# Altium PCB OctopusPB_r0102.PcbDoc (part 10 of 10)
Units mm, origin at the board's own origin, x right, y up, seen from the top; angles counter-clockwise.
Board outline 318 x 80 mm, 4 copper layers (Top Layer, Layer 1, Layer 2, Bottom Layer), stack 1.62 mm thick; 806 components, 346 nets, 2957 pads, 6733 vias.
Unrouted connection lines stored in the file: 1143.
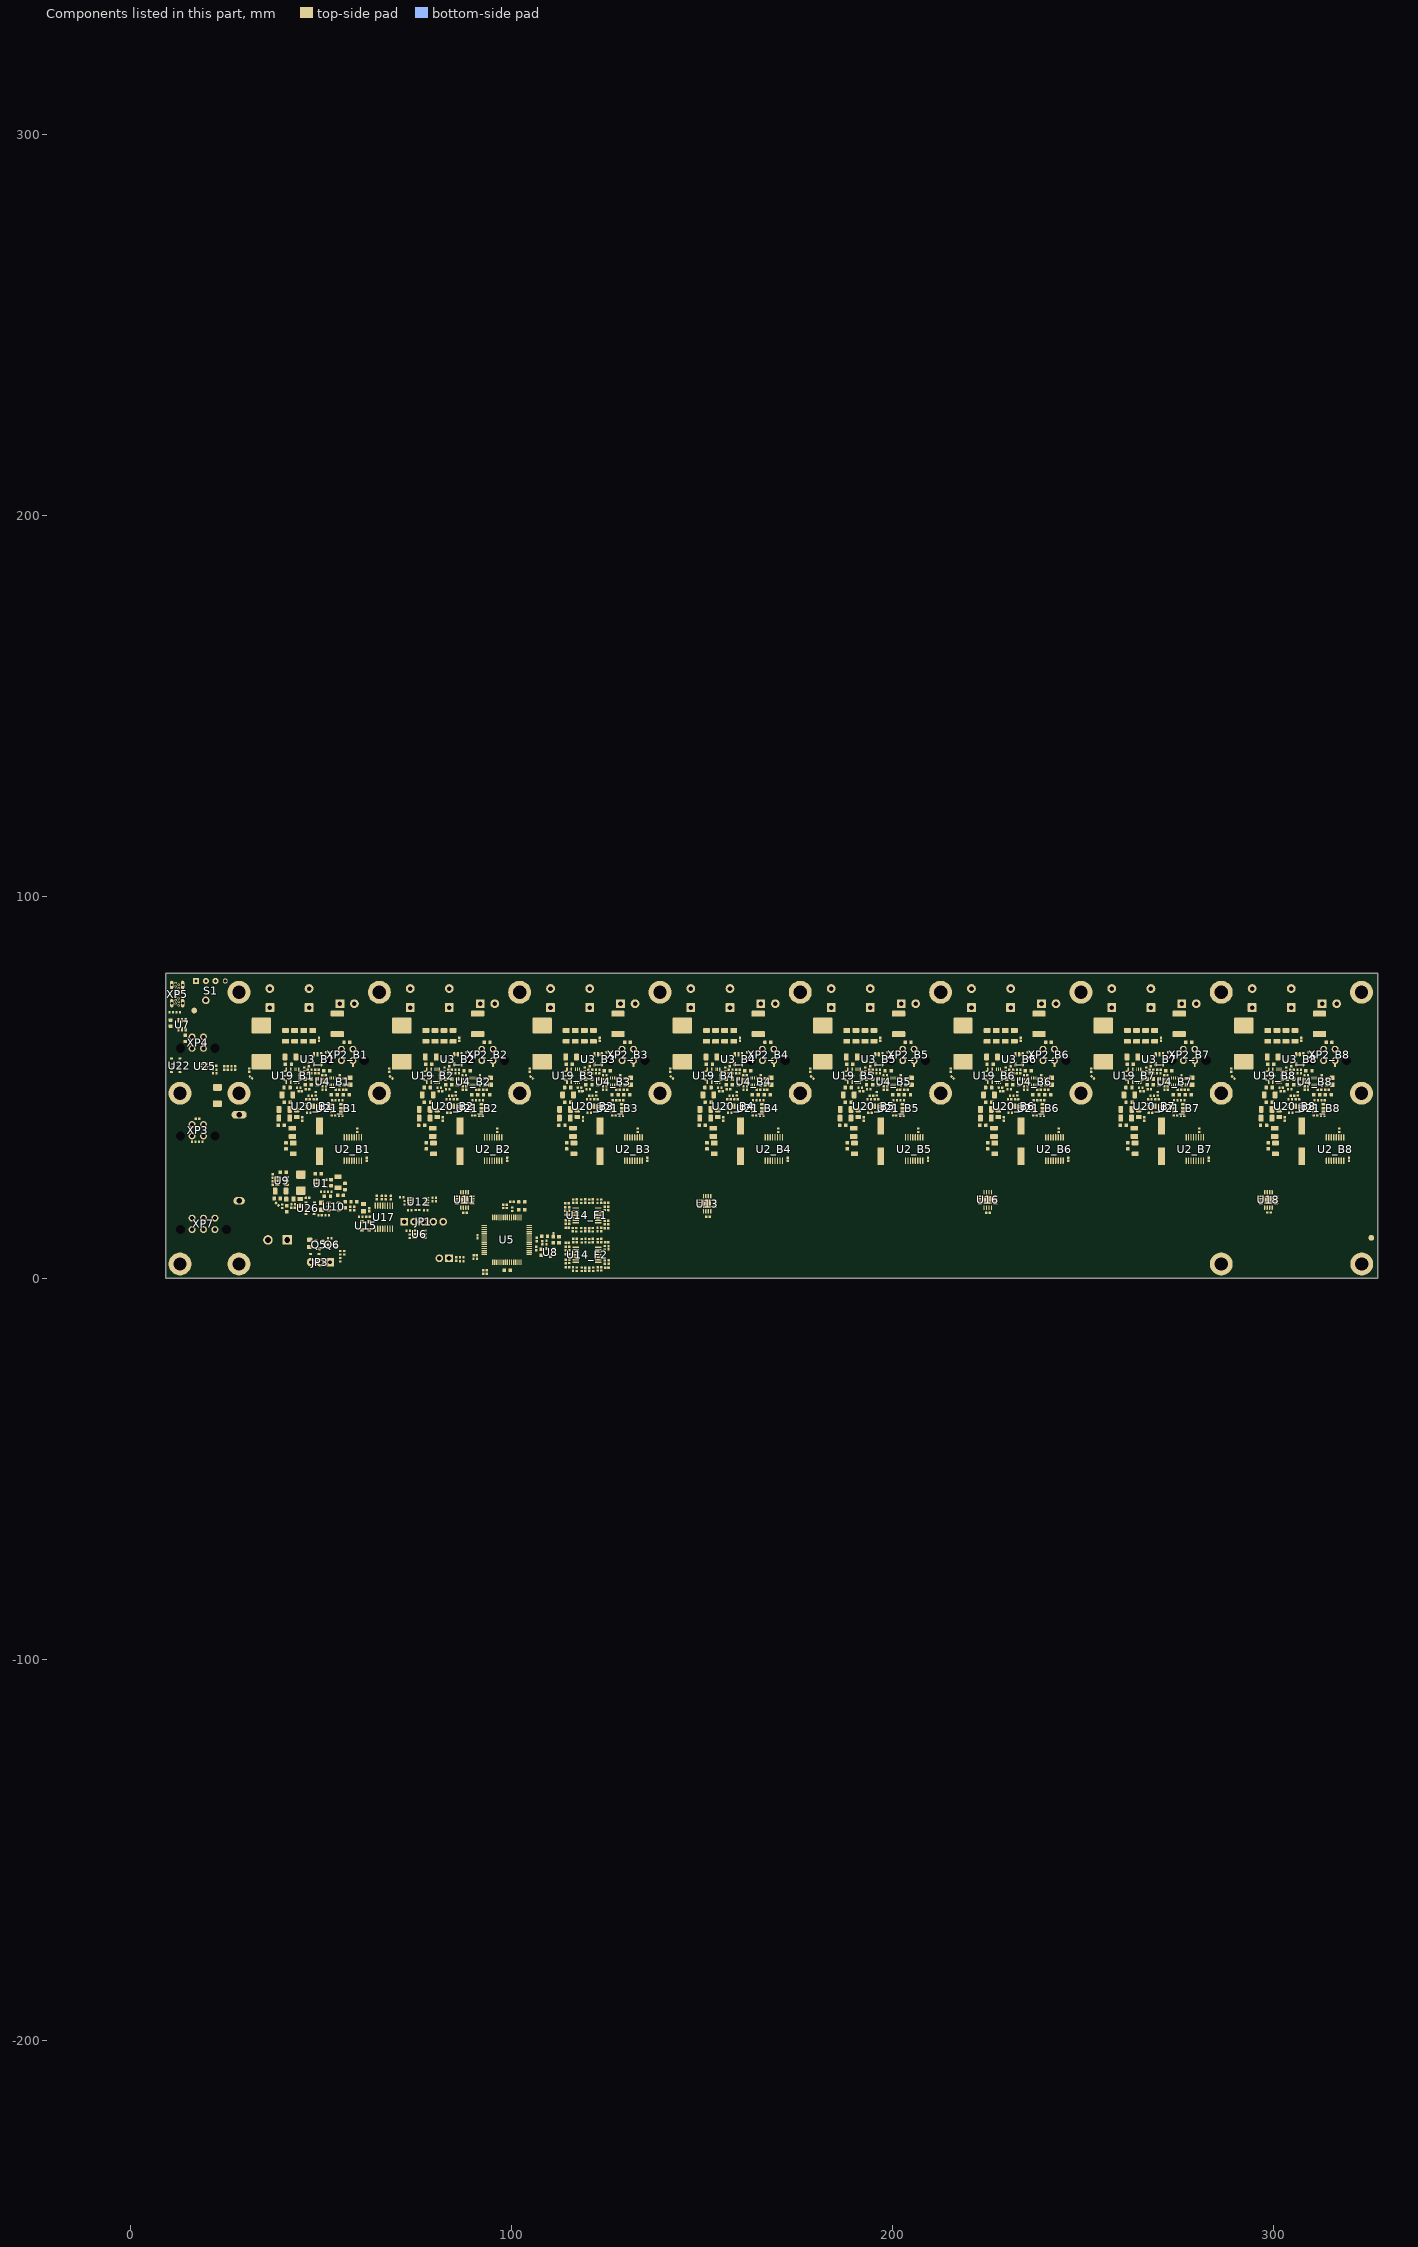
[diagram p12: the components of this part, seen from the top]

## Polygon pours and split planes (outlines as drawn) (continued)
DGND on Top Layer "PGND-TOP" (solid, pour order 243): 64.9,75.2 64.7,75 61.3,75 61.3,79.9 61.2,80 34.5,80 32.4,80 32.4,75.6 32.5,75.5 32.4,75.4 28.8,75.4 28.8,64.2 31.251,64.2 31.25,64.275 31.25,71.325 34.05,74.125 48.7,74.125 51.613,71.212 52.235,70.55 52.3,70.55 52.6,70.25 52.6,69.3 55.9,69.3 56,69.4 56,70.8 56,72.875 56.95,73.825 60.375,73.825 61.7,72.5 61.7,59.225 64.9,59.225
DGND on Layer 1 "DGND-MID1" (solid, pour order 239): 27.95,80 9.3,80 9.3,0 323.05,0 323.05,28.3 29,28.3 29,29 29,48 27.9,49.1 27.9,56.8
DGND on Layer 1 "Layer 1-PGND 1" (solid, pour order 232): 28.5,42.225 322.75,42.225 322.75,28.7 28.5,28.7
DGND on Layer 1 "Layer 1-PGND" (solid, pour order 223): 286.525,74.9 286.625,75 290.275,75 290.275,80 318.975,80 318.975,75 322.775,75 322.775,42.45 302.675,42.45 302.675,60.2 302.375,60.2 302.375,40.475 286.525,40.475
DGND on Layer 1 "Layer 1-PGND" (solid, pour order 222): 249.7,74.9 249.8,75 253.45,75 253.45,80 282.15,80 282.15,75 285.95,75 285.95,42.45 265.85,42.45 265.85,60.2 265.55,60.2 265.55,40.475 249.7,40.475
DGND on Layer 1 "Layer 1-PGND" (solid, pour order 221): 212.875,74.9 212.975,75 216.625,75 216.625,80 245.325,80 245.325,75 249.125,75 249.125,42.45 229.025,42.45 229.025,60.2 228.725,60.2 228.725,40.475 212.875,40.475
DGND on Layer 1 "Layer 1-PGND" (solid, pour order 220): 176.05,74.9 176.15,75 179.8,75 179.8,80 208.5,80 208.5,75 212.3,75 212.3,42.45 192.2,42.45 192.2,60.2 191.9,60.2 191.9,40.475 176.05,40.475
DGND on Layer 1 "Layer 1-PGND" (solid, pour order 219): 139.225,74.9 139.325,75 142.975,75 142.975,80 171.675,80 171.675,75 175.475,75 175.475,42.45 155.375,42.45 155.375,60.2 155.075,60.2 155.075,40.475 139.225,40.475
DGND on Layer 1 "Layer 1-PGND" (solid, pour order 218): 102.4,74.9 102.5,75 106.15,75 106.15,80 134.85,80 134.85,75 138.65,75 138.65,42.45 118.55,42.45 118.55,60.2 118.25,60.2 118.25,40.475 102.4,40.475
DGND on Layer 1 "Layer 1-PGND" (solid, pour order 217): 65.575,74.9 65.675,75 69.325,75 69.325,80 98.025,80 98.025,75 101.825,75 101.825,42.45 81.725,42.45 81.725,60.2 81.425,60.2 81.425,40.475 65.575,40.475
AGND on Layer 1 "AGND_BOT" (solid, pour order 238): 114.625,21.775 125.85,21.775 127.375,20.25 127.375,0.475 126.925,0.025 102.325,0.025 102.325,4.85 102.925,4.85 104.5,6.425 104.5,11.65
DGND on Layer 1 "Layer 1-PGND" (solid, pour order 216): 28.75,74.9 28.85,75 32.5,75 32.5,80 61.2,80 61.2,75 65,75 65,42.45 44.9,42.45 44.9,60.2 44.6,60.2 44.6,40.475 28.75,40.475

## Keep-outs
Keep-Out Layer:
  the board outline again, w0.254

## Other copper
Top Layer:
  region net 3V3: 58.675,19 58.975,19.3 59.675,19.3 59.9,19.075 59.9,17.275 59.875,17.25 59.225,17.25 59.225,18.25 59.1,18.375 58.825,18.375
  region net VOUT_B8: 290.407,64.343 289.725,65.025 289.725,70.275 291.55,72.1 306.35,72.1 309.2,69.25 309.2,67.9 311.65,65.45 313.9,65.45 314.2,65.15 314.2,59.925 313.5,59.225 312.15,59.225 307.005,64.175
  region net VOUT_SHUNT_B8: 314.855,59.82 314.855,70.005 314.855,72.53 315.125,72.9 315.85,72.9 318.475,72.9 318.975,72.4 318.975,59.475 318.6,59.1 315.575,59.1
  region net PVIN_B8: 302.05,43.525 302.125,43.6 302.125,47.725 300.1,49.75 300.1,52.05 300,52.15 299.525,52.15 299.35,51.975 299.35,50.575 299.2,50.425 299.2,45.275 298.975,45.05 298.975,43.525
  region net PH_B8: 300.925,53.25 300.75,53.425 298.1,53.425 294.075,57.45 289.625,57.45 289.625,54.8 291.688,52.737 296.038,52.737 300.763,52.737 300.925,52.9
  region net PVIN_B8: 299.65,54.025 299.5,54.175 299.5,56.575 299.675,56.75 300.075,56.75 300.325,57 300.325,59.4 300.55,59.625 302,59.625 302.325,59.3 302.325,57.4 301.975,57.05 300.75,55.825 300.225,55.3 300.225,54.2 300.05,54.025
  region net NetC6_B8_1: 300.3,38.75 298.6,38.75 297.7,39.65 297.7,40.475 298.9,41.675 298.9,42.65 299.1,42.85 302,42.85 302.125,42.725 302.125,39.7 301.15,38.725
  region net DGND: 296.775,62.525 297.075,62.825 306.325,62.825 306.5,62.65 306.45,62.6 306.45,61.175 305.675,60.4 300.03,60.4 299.075,59.298 298.925,59.148 298.92,56.55 298.92,55.405 299.075,55.25 299.075,53.975 298.125,53.975 296.6,55.5 296.6,62.375 296.75,62.525
  region net DGND: 312.139,48.6 313.539,48.6 313.539,47.737 313.456,47.655 312.139,47.655
  region net DGND: 307.3,49.65 306.375,49.65 306.25,49.775 306.25,51.185 306.3,51.225 307.125,51.225 307.3,51.05
  region net NetC77_B8_1: 304.05,49.3 304.05,51.05 303.875,51.225 303.375,51.225 302.7,51.9 301.9,51.9 301.9,50.925 302.375,50.925 303.475,49.825 303.475,49.3
  region net 20-26VIN_F: 304.85,42.225 304.525,42.225 303.5,41.2 303.5,40.8 302.55,40.8 302.55,39.275 301.025,37.75 298.35,37.75 298.05,37.45 298.05,35.075 298.15,34.975 299.025,34.98 299.18,34.825 303.375,34.825 305.95,37.4 308.95,37.4 308.95,42.225
  region net VOUT_B8: 304.425,49.863 305.45,49.863 305.525,49.788 305.525,49.113 305.375,48.963 305.225,48.963 304.9,49.288 304.425,49.288
  region net VOUT_B7: 253.582,64.343 252.9,65.025 252.9,70.275 254.725,72.1 269.525,72.1 272.375,69.25 272.375,67.9 274.825,65.45 277.075,65.45 277.375,65.15 277.375,59.925 276.675,59.225 275.325,59.225 270.18,64.175
  region net VOUT_SHUNT_B7: 278.03,59.82 278.03,70.005 278.03,72.53 278.3,72.9 279.025,72.9 281.65,72.9 282.15,72.4 282.15,59.475 281.775,59.1 278.75,59.1
  region net PVIN_B7: 265.225,43.525 265.3,43.6 265.3,47.725 263.275,49.75 263.275,52.05 263.175,52.15 262.7,52.15 262.525,51.975 262.525,50.575 262.375,50.425 262.375,45.275 262.15,45.05 262.15,43.525
  region net PH_B7: 264.1,53.25 263.925,53.425 261.275,53.425 257.25,57.45 252.8,57.45 252.8,54.8 254.863,52.737 259.213,52.737 263.938,52.737 264.1,52.9
  region net PVIN_B7: 262.825,54.025 262.675,54.175 262.675,56.575 262.85,56.75 263.25,56.75 263.5,57 263.5,59.4 263.725,59.625 265.175,59.625 265.5,59.3 265.5,57.4 265.15,57.05 263.925,55.825 263.4,55.3 263.4,54.2 263.225,54.025
  region net NetC6_B7_1: 263.475,38.75 261.775,38.75 260.875,39.65 260.875,40.475 262.075,41.675 262.075,42.65 262.275,42.85 265.175,42.85 265.3,42.725 265.3,39.7 264.325,38.725
  region net DGND: 259.95,62.525 260.25,62.825 269.5,62.825 269.675,62.65 269.625,62.6 269.625,61.175 268.85,60.4 263.205,60.4 262.25,59.298 262.1,59.148 262.095,56.55 262.095,55.405 262.25,55.25 262.25,53.975 261.3,53.975 259.775,55.5 259.775,62.375 259.925,62.525
  region net DGND: 275.314,48.6 276.714,48.6 276.714,47.737 276.631,47.655 275.314,47.655
  region net DGND: 270.475,49.65 269.55,49.65 269.425,49.775 269.425,51.185 269.475,51.225 270.3,51.225 270.475,51.05
  region net NetC77_B7_1: 267.225,49.3 267.225,51.05 267.05,51.225 266.55,51.225 265.875,51.9 265.075,51.9 265.075,50.925 265.55,50.925 266.65,49.825 266.65,49.3
  region net 20-26VIN_F: 268.025,42.225 267.7,42.225 266.675,41.2 266.675,40.8 265.725,40.8 265.725,39.275 264.2,37.75 261.525,37.75 261.225,37.45 261.225,35.075 261.325,34.975 262.2,34.98 262.355,34.825 266.55,34.825 269.125,37.4 272.125,37.4 272.125,42.225
  region net VOUT_B7: 267.6,49.863 268.625,49.863 268.7,49.788 268.7,49.113 268.55,48.963 268.4,48.963 268.075,49.288 267.6,49.288
  region net VOUT_B6: 216.757,64.343 216.075,65.025 216.075,70.275 217.9,72.1 232.7,72.1 235.55,69.25 235.55,67.9 238,65.45 240.25,65.45 240.55,65.15 240.55,59.925 239.85,59.225 238.5,59.225 233.355,64.175
  region net VOUT_SHUNT_B6: 241.205,59.82 241.205,70.005 241.205,72.53 241.475,72.9 242.2,72.9 244.825,72.9 245.325,72.4 245.325,59.475 244.95,59.1 241.925,59.1
  region net PVIN_B6: 228.4,43.525 228.475,43.6 228.475,47.725 226.45,49.75 226.45,52.05 226.35,52.15 225.875,52.15 225.7,51.975 225.7,50.575 225.55,50.425 225.55,45.275 225.325,45.05 225.325,43.525
  region net PH_B6: 227.275,53.25 227.1,53.425 224.45,53.425 220.425,57.45 215.975,57.45 215.975,54.8 218.038,52.737 222.387,52.737 227.112,52.737 227.275,52.9
  region net PVIN_B6: 226,54.025 225.85,54.175 225.85,56.575 226.025,56.75 226.425,56.75 226.675,57 226.675,59.4 226.9,59.625 228.35,59.625 228.675,59.3 228.675,57.4 228.325,57.05 227.1,55.825 226.575,55.3 226.575,54.2 226.4,54.025
  region net NetC6_B6_1: 226.65,38.75 224.95,38.75 224.05,39.65 224.05,40.475 225.25,41.675 225.25,42.65 225.45,42.85 228.35,42.85 228.475,42.725 228.475,39.7 227.5,38.725
  region net DGND: 223.125,62.525 223.425,62.825 232.675,62.825 232.85,62.65 232.8,62.6 232.8,61.175 232.025,60.4 226.38,60.4 225.425,59.298 225.275,59.148 225.27,56.55 225.27,55.405 225.425,55.25 225.425,53.975 224.475,53.975 222.95,55.5 222.95,62.375 223.1,62.525
  region net DGND: 238.489,48.6 239.889,48.6 239.889,47.737 239.806,47.655 238.489,47.655
  region net DGND: 233.65,49.65 232.725,49.65 232.6,49.775 232.6,51.185 232.65,51.225 233.475,51.225 233.65,51.05
  region net NetC77_B6_1: 230.4,49.3 230.4,51.05 230.225,51.225 229.725,51.225 229.05,51.9 228.25,51.9 228.25,50.925 228.725,50.925 229.825,49.825 229.825,49.3
  region net 20-26VIN_F: 231.2,42.225 230.875,42.225 229.85,41.2 229.85,40.8 228.9,40.8 228.9,39.275 227.375,37.75 224.7,37.75 224.4,37.45 224.4,35.075 224.5,34.975 225.375,34.98 225.53,34.825 229.725,34.825 232.3,37.4 235.3,37.4 235.3,42.225
  region net VOUT_B6: 230.775,49.863 231.8,49.863 231.875,49.788 231.875,49.113 231.725,48.963 231.575,48.963 231.25,49.288 230.775,49.288
  region net VOUT_B4: 143.107,64.343 142.425,65.025 142.425,70.275 144.25,72.1 159.05,72.1 161.9,69.25 161.9,67.9 164.35,65.45 166.6,65.45 166.9,65.15 166.9,59.925 166.2,59.225 164.85,59.225 159.705,64.175
  region net VOUT_SHUNT_B4: 167.555,59.82 167.555,70.005 167.555,72.53 167.825,72.9 168.55,72.9 171.175,72.9 171.675,72.4 171.675,59.475 171.3,59.1 168.275,59.1
  region net PVIN_B4: 154.75,43.525 154.825,43.6 154.825,47.725 152.8,49.75 152.8,52.05 152.7,52.15 152.225,52.15 152.05,51.975 152.05,50.575 151.9,50.425 151.9,45.275 151.675,45.05 151.675,43.525
  region net PH_B4: 153.625,53.25 153.45,53.425 150.8,53.425 146.775,57.45 142.325,57.45 142.325,54.8 144.388,52.737 148.737,52.737 153.462,52.737 153.625,52.9
  region net PVIN_B4: 152.35,54.025 152.2,54.175 152.2,56.575 152.375,56.75 152.775,56.75 153.025,57 153.025,59.4 153.25,59.625 154.7,59.625 155.025,59.3 155.025,57.4 154.675,57.05 153.45,55.825 152.925,55.3 152.925,54.2 152.75,54.025
  region net NetC6_B4_1: 153,38.75 151.3,38.75 150.4,39.65 150.4,40.475 151.6,41.675 151.6,42.65 151.8,42.85 154.7,42.85 154.825,42.725 154.825,39.7 153.85,38.725
  region net DGND: 149.475,62.525 149.775,62.825 159.025,62.825 159.2,62.65 159.15,62.6 159.15,61.175 158.375,60.4 152.73,60.4 151.775,59.298 151.625,59.148 151.62,56.55 151.62,55.405 151.775,55.25 151.775,53.975 150.825,53.975 149.3,55.5 149.3,62.375 149.45,62.525
  region net DGND: 164.839,48.6 166.239,48.6 166.239,47.737 166.156,47.655 164.839,47.655
  region net DGND: 160,49.65 159.075,49.65 158.95,49.775 158.95,51.185 159,51.225 159.825,51.225 160,51.05
  region net NetC77_B4_1: 156.75,49.3 156.75,51.05 156.575,51.225 156.075,51.225 155.4,51.9 154.6,51.9 154.6,50.925 155.075,50.925 156.175,49.825 156.175,49.3
  region net 20-26VIN_F: 157.55,42.225 157.225,42.225 156.2,41.2 156.2,40.8 155.25,40.8 155.25,39.275 153.725,37.75 151.05,37.75 150.75,37.45 150.75,35.075 150.85,34.975 151.725,34.98 151.88,34.825 156.075,34.825 158.65,37.4 161.65,37.4 161.65,42.225
  region net VOUT_B4: 157.125,49.863 158.15,49.863 158.225,49.788 158.225,49.113 158.075,48.963 157.925,48.963 157.6,49.288 157.125,49.288
  region net VOUT_B5: 179.932,64.343 179.25,65.025 179.25,70.275 181.075,72.1 195.875,72.1 198.725,69.25 198.725,67.9 201.175,65.45 203.425,65.45 203.725,65.15 203.725,59.925 203.025,59.225 201.675,59.225 196.53,64.175
  region net VOUT_SHUNT_B5: 204.38,59.82 204.38,70.005 204.38,72.53 204.65,72.9 205.375,72.9 208,72.9 208.5,72.4 208.5,59.475 208.125,59.1 205.1,59.1
  region net PVIN_B5: 191.575,43.525 191.65,43.6 191.65,47.725 189.625,49.75 189.625,52.05 189.525,52.15 189.05,52.15 188.875,51.975 188.875,50.575 188.725,50.425 188.725,45.275 188.5,45.05 188.5,43.525
  region net PH_B5: 190.45,53.25 190.275,53.425 187.625,53.425 183.6,57.45 179.15,57.45 179.15,54.8 181.213,52.737 185.562,52.737 190.287,52.737 190.45,52.9
  region net PVIN_B5: 189.175,54.025 189.025,54.175 189.025,56.575 189.2,56.75 189.6,56.75 189.85,57 189.85,59.4 190.075,59.625 191.525,59.625 191.85,59.3 191.85,57.4 191.5,57.05 190.275,55.825 189.75,55.3 189.75,54.2 189.575,54.025
  region net NetC6_B5_1: 189.825,38.75 188.125,38.75 187.225,39.65 187.225,40.475 188.425,41.675 188.425,42.65 188.625,42.85 191.525,42.85 191.65,42.725 191.65,39.7 190.675,38.725
  region net DGND: 186.3,62.525 186.6,62.825 195.85,62.825 196.025,62.65 195.975,62.6 195.975,61.175 195.2,60.4 189.555,60.4 188.6,59.298 188.45,59.148 188.445,56.55 188.445,55.405 188.6,55.25 188.6,53.975 187.65,53.975 186.125,55.5 186.125,62.375 186.275,62.525
  region net DGND: 201.664,48.6 203.064,48.6 203.064,47.737 202.981,47.655 201.664,47.655
  region net DGND: 196.825,49.65 195.9,49.65 195.775,49.775 195.775,51.185 195.825,51.225 196.65,51.225 196.825,51.05
  region net NetC77_B5_1: 193.575,49.3 193.575,51.05 193.4,51.225 192.9,51.225 192.225,51.9 191.425,51.9 191.425,50.925 191.9,50.925 193,49.825 193,49.3
  region net 20-26VIN_F: 194.375,42.225 194.05,42.225 193.025,41.2 193.025,40.8 192.075,40.8 192.075,39.275 190.55,37.75 187.875,37.75 187.575,37.45 187.575,35.075 187.675,34.975 188.55,34.98 188.705,34.825 192.9,34.825 195.475,37.4 198.475,37.4 198.475,42.225
  region net VOUT_B5: 193.95,49.863 194.975,49.863 195.05,49.788 195.05,49.113 194.9,48.963 194.75,48.963 194.425,49.288 193.95,49.288
  region net VOUT_B3: 106.282,64.343 105.6,65.025 105.6,70.275 107.425,72.1 122.225,72.1 125.075,69.25 125.075,67.9 127.525,65.45 129.775,65.45 130.075,65.15 130.075,59.925 129.375,59.225 128.025,59.225 122.88,64.175
  region net VOUT_SHUNT_B3: 130.73,59.82 130.73,70.005 130.73,72.53 131,72.9 131.725,72.9 134.35,72.9 134.85,72.4 134.85,59.475 134.475,59.1 131.45,59.1
  region net PVIN_B3: 117.925,43.525 118,43.6 118,47.725 115.975,49.75 115.975,52.05 115.875,52.15 115.4,52.15 115.225,51.975 115.225,50.575 115.075,50.425 115.075,45.275 114.85,45.05 114.85,43.525
  region net PH_B3: 116.8,53.25 116.625,53.425 113.975,53.425 109.95,57.45 105.5,57.45 105.5,54.8 107.563,52.737 111.912,52.737 116.637,52.737 116.8,52.9
  region net PVIN_B3: 115.525,54.025 115.375,54.175 115.375,56.575 115.55,56.75 115.95,56.75 116.2,57 116.2,59.4 116.425,59.625 117.875,59.625 118.2,59.3 118.2,57.4 117.85,57.05 116.625,55.825 116.1,55.3 116.1,54.2 115.925,54.025
  region net NetC6_B3_1: 116.175,38.75 114.475,38.75 113.575,39.65 113.575,40.475 114.775,41.675 114.775,42.65 114.975,42.85 117.875,42.85 118,42.725 118,39.7 117.025,38.725
  region net DGND: 112.65,62.525 112.95,62.825 122.2,62.825 122.375,62.65 122.325,62.6 122.325,61.175 121.55,60.4 115.905,60.4 114.95,59.298 114.8,59.148 114.795,56.55 114.795,55.405 114.95,55.25 114.95,53.975 114,53.975 112.475,55.5 112.475,62.375 112.625,62.525
  region net DGND: 128.014,48.6 129.414,48.6 129.414,47.737 129.331,47.655 128.014,47.655
  region net DGND: 123.175,49.65 122.25,49.65 122.125,49.775 122.125,51.185 122.175,51.225 123,51.225 123.175,51.05
  region net NetC77_B3_1: 119.925,49.3 119.925,51.05 119.75,51.225 119.25,51.225 118.575,51.9 117.775,51.9 117.775,50.925 118.25,50.925 119.35,49.825 119.35,49.3
  region net 20-26VIN_F: 120.725,42.225 120.4,42.225 119.375,41.2 119.375,40.8 118.425,40.8 118.425,39.275 116.9,37.75 114.225,37.75 113.925,37.45 113.925,35.075 114.025,34.975 114.9,34.98 115.055,34.825 119.25,34.825 121.825,37.4 124.825,37.4 124.825,42.225
  region net VOUT_B3: 120.3,49.863 121.325,49.863 121.4,49.788 121.4,49.113 121.25,48.963 121.1,48.963 120.775,49.288 120.3,49.288
  region net VOUT_B2: 69.457,64.343 68.775,65.025 68.775,70.275 70.6,72.1 85.4,72.1 88.25,69.25 88.25,67.9 90.7,65.45 92.95,65.45 93.25,65.15 93.25,59.925 92.55,59.225 91.2,59.225 86.055,64.175
  region net VOUT_SHUNT_B2: 93.905,59.82 93.905,70.005 93.905,72.53 94.175,72.9 94.9,72.9 97.525,72.9 98.025,72.4 98.025,59.475 97.65,59.1 94.625,59.1
  region net PVIN_B2: 81.1,43.525 81.175,43.6 81.175,47.725 79.15,49.75 79.15,52.05 79.05,52.15 78.575,52.15 78.4,51.975 78.4,50.575 78.25,50.425 78.25,45.275 78.025,45.05 78.025,43.525
  region net PH_B2: 79.975,53.25 79.8,53.425 77.15,53.425 73.125,57.45 68.675,57.45 68.675,54.8 70.738,52.737 75.087,52.737 79.812,52.737 79.975,52.9
  region net PVIN_B2: 78.7,54.025 78.55,54.175 78.55,56.575 78.725,56.75 79.125,56.75 79.375,57 79.375,59.4 79.6,59.625 81.05,59.625 81.375,59.3 81.375,57.4 81.025,57.05 79.8,55.825 79.275,55.3 79.275,54.2 79.1,54.025
  region net NetC6_B2_1: 79.35,38.75 77.65,38.75 76.75,39.65 76.75,40.475 77.95,41.675 77.95,42.65 78.15,42.85 81.05,42.85 81.175,42.725 81.175,39.7 80.2,38.725
  region net DGND: 75.825,62.525 76.125,62.825 85.375,62.825 85.55,62.65 85.5,62.6 85.5,61.175 84.725,60.4 79.08,60.4 78.125,59.298 77.975,59.148 77.97,56.55 77.97,55.405 78.125,55.25 78.125,53.975 77.175,53.975 75.65,55.5 75.65,62.375 75.8,62.525
  region net DGND: 91.189,48.6 92.589,48.6 92.589,47.737 92.506,47.655 91.189,47.655
  region net DGND: 86.35,49.65 85.425,49.65 85.3,49.775 85.3,51.185 85.35,51.225 86.175,51.225 86.35,51.05
  region net NetC77_B2_1: 83.1,49.3 83.1,51.05 82.925,51.225 82.425,51.225 81.75,51.9 80.95,51.9 80.95,50.925 81.425,50.925 82.525,49.825 82.525,49.3
  region net 20-26VIN_F: 83.9,42.225 83.575,42.225 82.55,41.2 82.55,40.8 81.6,40.8 81.6,39.275 80.075,37.75 77.4,37.75 77.1,37.45 77.1,35.075 77.2,34.975 78.075,34.98 78.23,34.825 82.425,34.825 85,37.4 88,37.4 88,42.225
  region net VOUT_B2: 83.475,49.863 84.5,49.863 84.575,49.788 84.575,49.113 84.425,48.963 84.275,48.963 83.95,49.288 83.475,49.288
  region: 46.1,46.725
  region net PVIN_B1: 44.275,43.525 44.35,43.6 44.35,47.725 42.325,49.75 42.325,52.05 42.225,52.15 41.75,52.15 41.575,51.975 41.575,50.575 41.425,50.425 41.425,45.275 41.2,45.05 41.2,43.525
  region net NetC6_B1_1: 42.525,38.75 40.825,38.75 39.925,39.65 39.925,40.475 41.125,41.675 41.125,42.65 41.325,42.85 44.225,42.85 44.35,42.725 44.35,39.7 43.375,38.725
  region net DGND: 39,62.525 39.3,62.825 48.55,62.825 48.725,62.65 48.675,62.6 48.675,61.175 47.9,60.4 42.255,60.4 41.3,59.298 41.15,59.148 41.145,56.55 41.145,55.405 41.3,55.25 41.3,53.975 40.35,53.975 38.825,55.5 38.825,62.375 38.975,62.525
  region net VOUT_B1: 32.632,64.343 31.95,65.025 31.95,70.275 33.775,72.1 48.575,72.1 51.425,69.25 51.425,67.9 53.875,65.45 56.125,65.45 56.425,65.15 56.425,59.925 55.725,59.225 54.375,59.225 49.23,64.175
  pour cut-out: 60.4,15.1 60.4,12.4 60.45,12.35 63.05,12.35 63.075,12.325 63.075,15 63,15.075
  pour cut-out: 48.475,8.925 48.475,7.7 49.2,6.975 50.025,6.975 50.9,7.85 50.9,8.7 50.7,8.9
  pour cut-out: 20.8,49.1 21.8,49.1 21.875,49.025 21.875,46.475 20.725,46.475 20.7,46.5
  region net 20-26VIN: 32.6,7.7 30.575,7.7 27.1,11.175 27.1,13.2 26.1,14.2 14.5,14.2 14.5,19.7 16.45,21.65 30.075,21.65 38.2,13.525 38.2,8.5 37.4,7.7 34.6,7.7
  region net 20-26VIN_F: 28.5,38 28.5,36.187 28.888,35.8 30.9,35.8 31.2,36.1 31.2,42.5 29.8,43.9 27.4,43.9 24.6,46.7 22,46.7 21.8,46.5 21.8,44.7
  region net NetC52_1: 43.525,24.05 42.2,22.725 42.2,20.35 42.375,20.175 45.15,20.175 45.275,20.3 45.275,21.25 45.3,21.25 45.975,21.925 45.975,23.875 45.8,24.05
  region net NetC48_2: 44.175,28.225 40.7,28.225 40.45,27.975 40.45,26.125 44.175,26.125
  region net VOUT_SHUNT_B1: 57.08,59.82 57.08,70.005 57.08,72.53 57.35,72.9 58.075,72.9 60.7,72.9 61.2,72.4 61.2,59.475 60.825,59.1 57.8,59.1
  region net VOUT_B1: 46.65,49.863 47.675,49.863 47.75,49.788 47.75,49.113 47.6,48.963 47.45,48.963 47.125,49.288 46.65,49.288
  region net NetC77_B1_1: 46.275,49.3 46.275,51.05 46.1,51.225 45.6,51.225 44.925,51.9 44.125,51.9 44.125,50.925 44.6,50.925 45.7,49.825 45.7,49.3
  region net PH_B1: 43.15,53.25 42.975,53.425 40.325,53.425 36.3,57.45 31.85,57.45 31.85,54.8 33.913,52.737 38.262,52.737 42.987,52.737 43.15,52.9
  region net PVIN_B1: 41.875,54.025 41.725,54.175 41.725,56.575 41.9,56.75 42.3,56.75 42.55,57 42.55,59.4 42.775,59.625 44.225,59.625 44.55,59.3 44.55,57.4 44.2,57.05 42.975,55.825 42.45,55.3 42.45,54.2 42.275,54.025
  region net 20-26VIN_F: 47.075,42.225 46.75,42.225 45.725,41.2 45.725,40.8 44.775,40.8 44.775,39.275 43.25,37.75 40.575,37.75 40.275,37.45 40.275,35.075 40.375,34.975 41.25,34.98 41.405,34.825 45.6,34.825 48.175,37.4 51.175,37.4 51.175,42.225
  region: 33.95,62.225
  region net DGND: 54.364,48.6 55.764,48.6 55.764,47.737 55.681,47.655 54.364,47.655
  region net DGND: 49.525,49.65 48.6,49.65 48.475,49.775 48.475,51.185 48.525,51.225 49.35,51.225 49.525,51.05
Layer 2:
  region net PVIN_B8: 299.225,46.225 298.975,46.475 298.975,59.5 299.15,59.675 302.225,59.675 302.425,59.475 302.425,46.475 302.175,46.225
  region net VOUT_B8: 306.5,51.2 306.5,55.525 310.25,59.275 312.825,59.275 312.825,60.275 312.575,60.525 312.55,60.5 310.175,60.5 305.55,55.875 305.55,51.575 304.75,50.775 304.75,49.075 304.85,48.975 305.55,48.975 305.725,49.2 305.725,50.425
  region net PVIN_B7: 262.4,46.225 262.15,46.475 262.15,59.5 262.325,59.675 265.4,59.675 265.6,59.475 265.6,46.475 265.35,46.225
  region net VOUT_B7: 269.675,51.2 269.675,55.525 273.425,59.275 276,59.275 276,60.275 275.75,60.525 275.725,60.5 273.35,60.5 268.725,55.875 268.725,51.575 267.925,50.775 267.925,49.075 268.025,48.975 268.725,48.975 268.9,49.2 268.9,50.425
  region net PVIN_B6: 225.575,46.225 225.325,46.475 225.325,59.5 225.5,59.675 228.575,59.675 228.775,59.475 228.775,46.475 228.525,46.225
  region net VOUT_B6: 232.85,51.2 232.85,55.525 236.6,59.275 239.175,59.275 239.175,60.275 238.925,60.525 238.9,60.5 236.525,60.5 231.9,55.875 231.9,51.575 231.1,50.775 231.1,49.075 231.2,48.975 231.9,48.975 232.075,49.2 232.075,50.425
  region net PVIN_B4: 151.925,46.225 151.675,46.475 151.675,59.5 151.85,59.675 154.925,59.675 155.125,59.475 155.125,46.475 154.875,46.225
  region net VOUT_B4: 159.2,51.2 159.2,55.525 162.95,59.275 165.525,59.275 165.525,60.275 165.275,60.525 165.25,60.5 162.875,60.5 158.25,55.875 158.25,51.575 157.45,50.775 157.45,49.075 157.55,48.975 158.25,48.975 158.425,49.2 158.425,50.425
  region net PVIN_B5: 188.75,46.225 188.5,46.475 188.5,59.5 188.675,59.675 191.75,59.675 191.95,59.475 191.95,46.475 191.7,46.225
  region net VOUT_B5: 196.025,51.2 196.025,55.525 199.775,59.275 202.35,59.275 202.35,60.275 202.1,60.525 202.075,60.5 199.7,60.5 195.075,55.875 195.075,51.575 194.275,50.775 194.275,49.075 194.375,48.975 195.075,48.975 195.25,49.2 195.25,50.425
  region net PVIN_B3: 115.1,46.225 114.85,46.475 114.85,59.5 115.025,59.675 118.1,59.675 118.3,59.475 118.3,46.475 118.05,46.225
  region net VOUT_B3: 122.375,51.2 122.375,55.525 126.125,59.275 128.7,59.275 128.7,60.275 128.45,60.525 128.425,60.5 126.05,60.5 121.425,55.875 121.425,51.575 120.625,50.775 120.625,49.075 120.725,48.975 121.425,48.975 121.6,49.2 121.6,50.425
  region net PVIN_B2: 78.275,46.225 78.025,46.475 78.025,59.5 78.2,59.675 81.275,59.675 81.475,59.475 81.475,46.475 81.225,46.225
  region net VOUT_B2: 85.55,51.2 85.55,55.525 89.3,59.275 91.875,59.275 91.875,60.275 91.625,60.525 91.6,60.5 89.225,60.5 84.6,55.875 84.6,51.575 83.8,50.775 83.8,49.075 83.9,48.975 84.6,48.975 84.775,49.2 84.775,50.425
  region net 20-26VIN: 32.6,7.7 30.575,7.7 27.1,11.175 27.1,13.2 26.1,14.2 14.5,14.2 14.5,19.7 16.45,21.65 30.075,21.65 38.2,13.525 38.2,8.5 37.4,7.7 34.6,7.7
  region net VOUT_B1: 48.725,51.2 48.725,55.525 52.475,59.275 55.05,59.275 55.05,60.275 54.8,60.525 54.775,60.5 52.4,60.5 47.775,55.875 47.775,51.575 46.975,50.775 46.975,49.075 47.075,48.975 47.775,48.975 47.95,49.2 47.95,50.425
  region net PVIN_B1: 41.45,46.225 41.2,46.475 41.2,59.5 41.375,59.675 44.45,59.675 44.65,59.475 44.65,46.475 44.4,46.225
Bottom Layer:
  pour cut-out: 284.45,28.225 285.65,28.225 285.7,28.175 285.7,19.9 285.5,19.9 284.575,20.825
  pour cut-out: 210.875,28.2 210.875,20.975 211.825,20.025 212.05,20.25 212.05,28.275
  pour cut-out: 137.3,28.325 137.3,19.7 138.025,18.975 138.275,18.975 138.275,28.3 138.25,28.325

## Silkscreen, mask and mechanical layers (free items; w line width, h text height)
Top Overlay:
  lines w0.1: 323.075,29.175 323.075,80
  lines w0.2: 28.475,29.225 28.475,80 ; 65.3,29.225 65.3,80 ; 102.125,29.225 102.125,80 ; 138.95,29.225 138.95,80 ; 175.775,29.225 175.775,80 ; 212.6,29.225 212.6,80 ; 249.425,29.225 249.425,80 ; 286.25,29.225 286.25,80
  text "- +" at 203.95,68.65 h1.52
  text "- +" at 240.75,68.65 h1.52
  text "- +" at 56.575,68.625 h1.52
  text "- +" at 277.55,68.575 h1.52
  text "- +" at 314.355,68.575 h1.52
  text "- +" at 93.525,68.525 h1.52
  text "- +" at 166.975,68.525 h1.52
  text "- +" at 130.25,68.5 h1.52
  text "VOUT5" at 204.25,66.525 h1.52
  text "VOUT6" at 241.05,66.525 h1.52
  text "VOUT1" at 56.875,66.5 h1.52
  text "VOUT7" at 277.85,66.45 h1.52
  text "VOUT8" at 314.655,66.45 h1.52
  text "VOUT2" at 93.825,66.4 h1.52
  text "VOUT4" at 167.275,66.4 h1.52
  text "VOUT3" at 130.55,66.375 h1.52
  text "DGND" at 19.575,64.8 h1.8 r90
  text "VBUS" at 16.55,64.775 h1.8 r90
  text "D-" at 16.5,57.65 h1.8 r90
  text "D+" at 19.575,57.65 h1.8 r90
  text "GPIO" at 16.575,41.9 h1.8 r90
  text "DGND" at 19.525,41.85 h1.8 r90
  text "SCL" at 19.475,33.05 h1.8 r90
  text "SDA" at 16.375,32.825 h1.8 r90
  text "PWR IN" at 16.625,17.05 h1.8 r90
  text "PWR IN" at 19.625,17.05 h1.8 r90
  text "PWR IN" at 22.625,17.05 h1.8 r90
  text "PWR IN" at 34.45,14.225 h1.52
  text "PROG" at 84,14 h1.52
  text "+  -" at 35.725,12.325 h1.52
  text "FAN" at 48.044,11.514 h1.52
  text "DGND" at 16.45,7.825 h1.8 r90
  text "DGND" at 19.45,7.825 h1.8 r90
  text "DGND" at 22.45,7.825 h1.8 r90
  text "OctopusPB r01.02" at 266.275,7.55 h1.52
  text "BOOT MODE" at 76.5,7 h1.52
  text "01/21/2021" at 304.25,5.225 h1.52
  text "-      +     FB" at 46.8,1.7 h1.8
Bottom Solder:
  region: 28.5,29.125 28.5,35.425 322.75,35.425 322.75,29.125
  region: 33.5,42.225 31.325,44.4 26.9,44.4 25.8,43.3 25.8,41.764 28.5,39.028 28.5,35.925 322.75,35.925 322.75,42.225
Mechanical 2:
  lines w0.1: 28.475,80 66.3,80 ; 30.275,21.2 68.1,21.2 ; 66.3,22 66.3,80 ; 68.8,22 106.625,22 ; 102.125,22 102.125,80 ; 104.125,22 141.95,22 ; 132.7,22 170.525,22 ; 138.95,22 138.95,80 ; 170.525,80 170.525,22 ; 208.35,22 170.525,22 ; 250.425,22 250.425,80 ; 292.75,79.875 293.125,21.875 ; 66.3,80 104.125,80 141.95,80 179.775,80 217.6,80 ; 217.6,80 255.425,80 293.625,80 ; 217.6,80 217.6,22 255.425,22 293.125,21.875 ; 293.125,21.875 330.825,21.999 330.825,80 293.625,80 ; 293.125,21.875 293.625,80
Mechanical 8:
  drawing of 349 lines, arcs and shapes, not listed